# Altium PCB Board_Design.PcbDoc (part 1 of 3)
Units mil, origin at the board's own origin, x right, y up, seen from the top; angles counter-clockwise.
Board outline 5510 x 2520.05 mil, 4 copper layers (Top Layer, Power, Ground, Bottom Layer); 256 components, 212 nets, 1057 pads, 340 vias.
Unrouted connection lines stored in the file: 290.
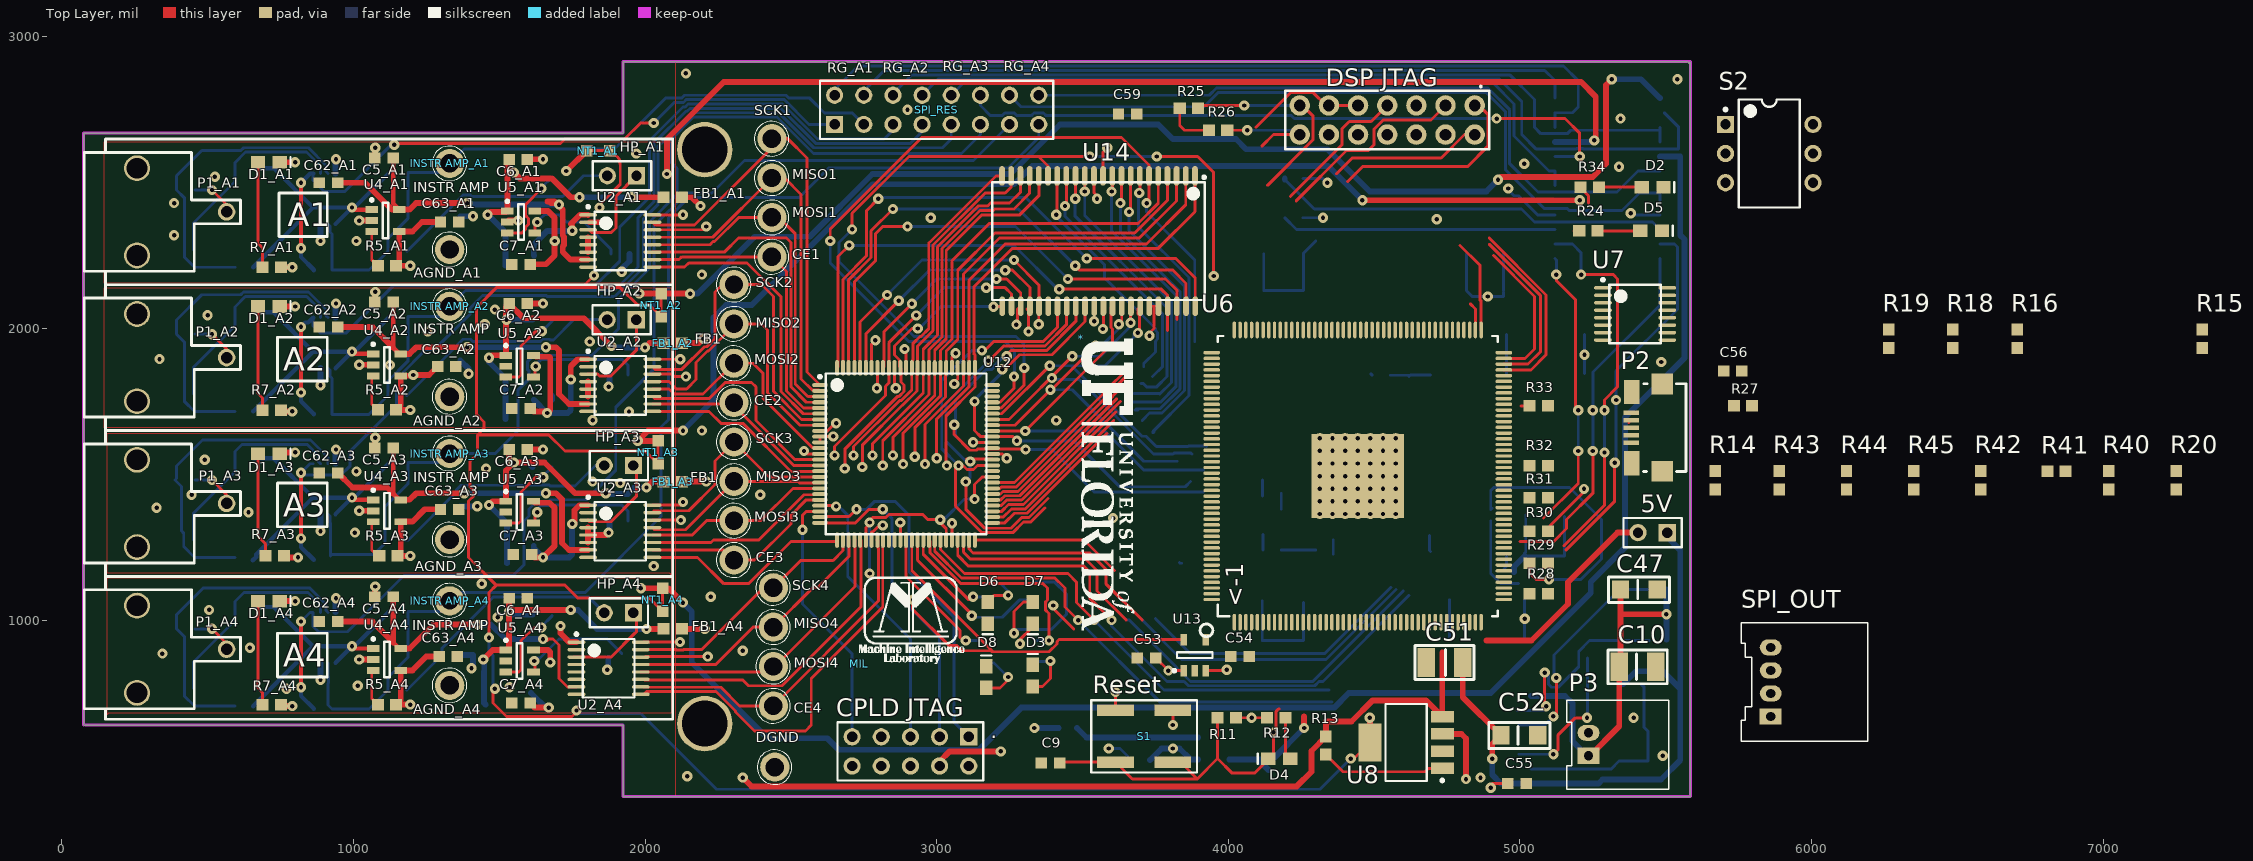
[diagram p0: Top Layer view]
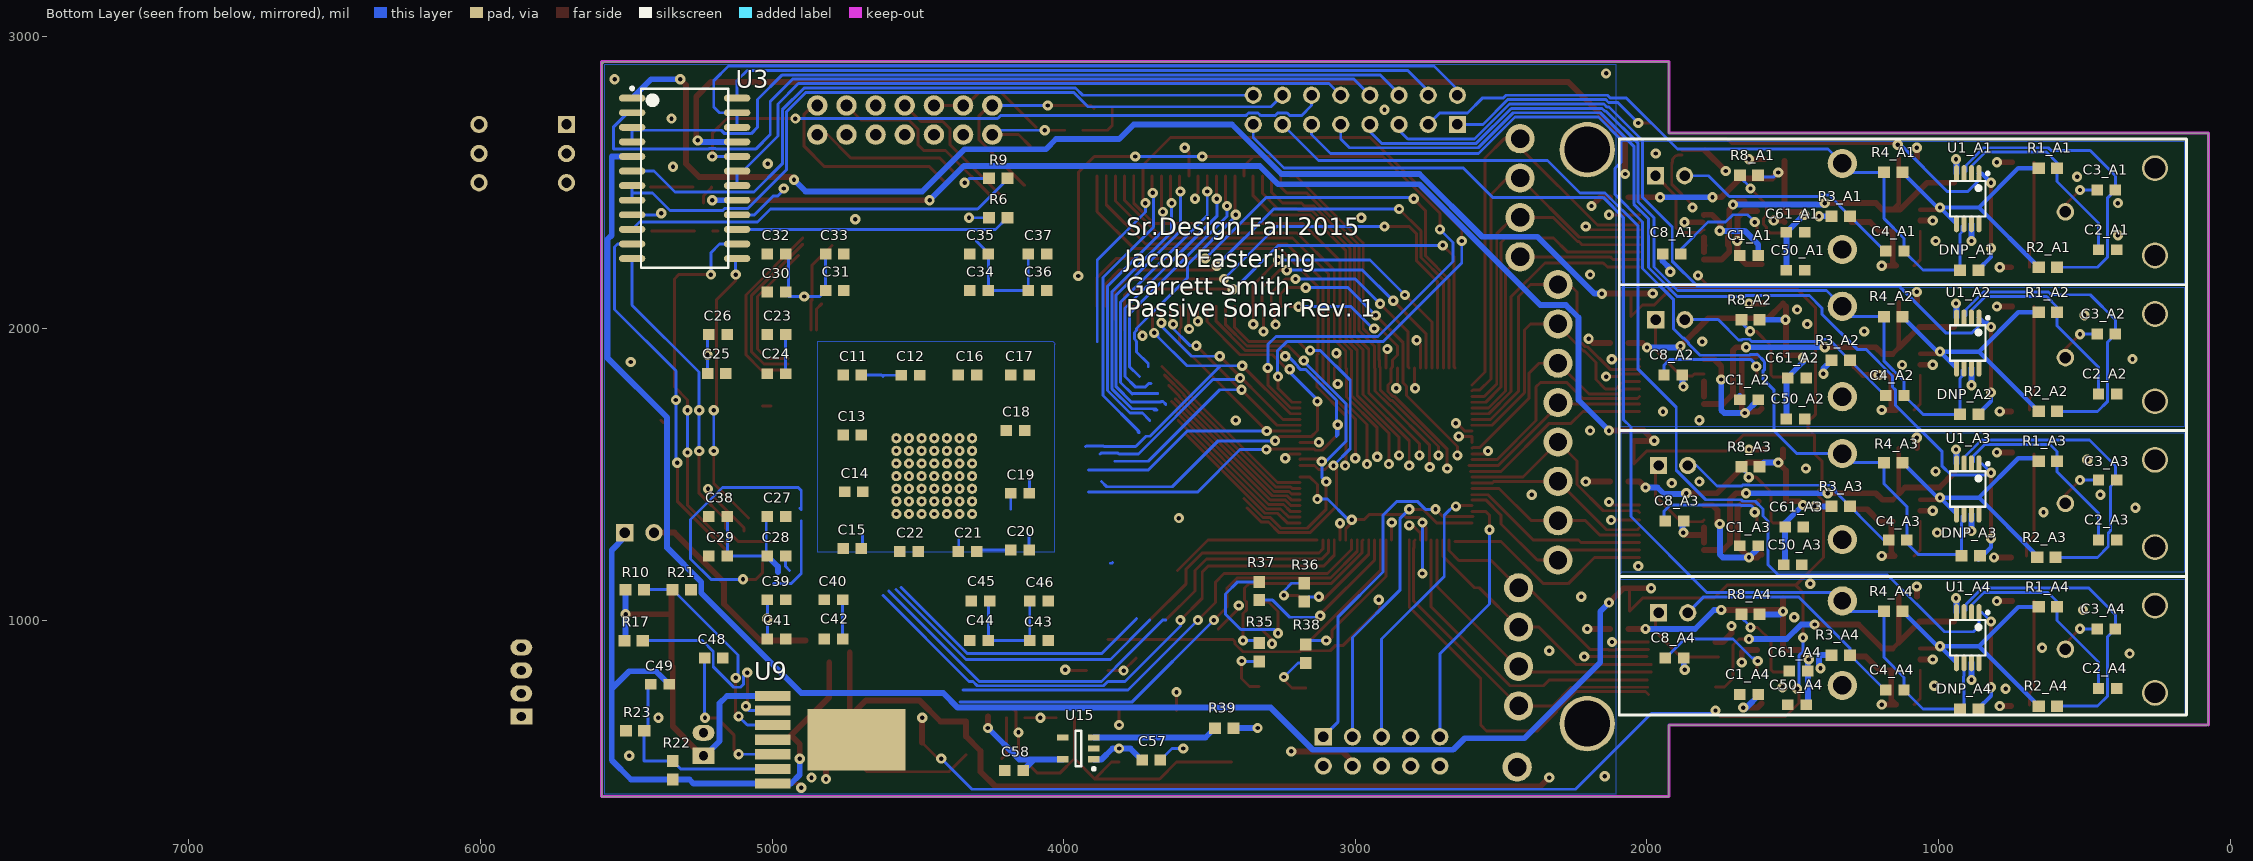
[diagram p1: Bottom Layer view, seen from below]
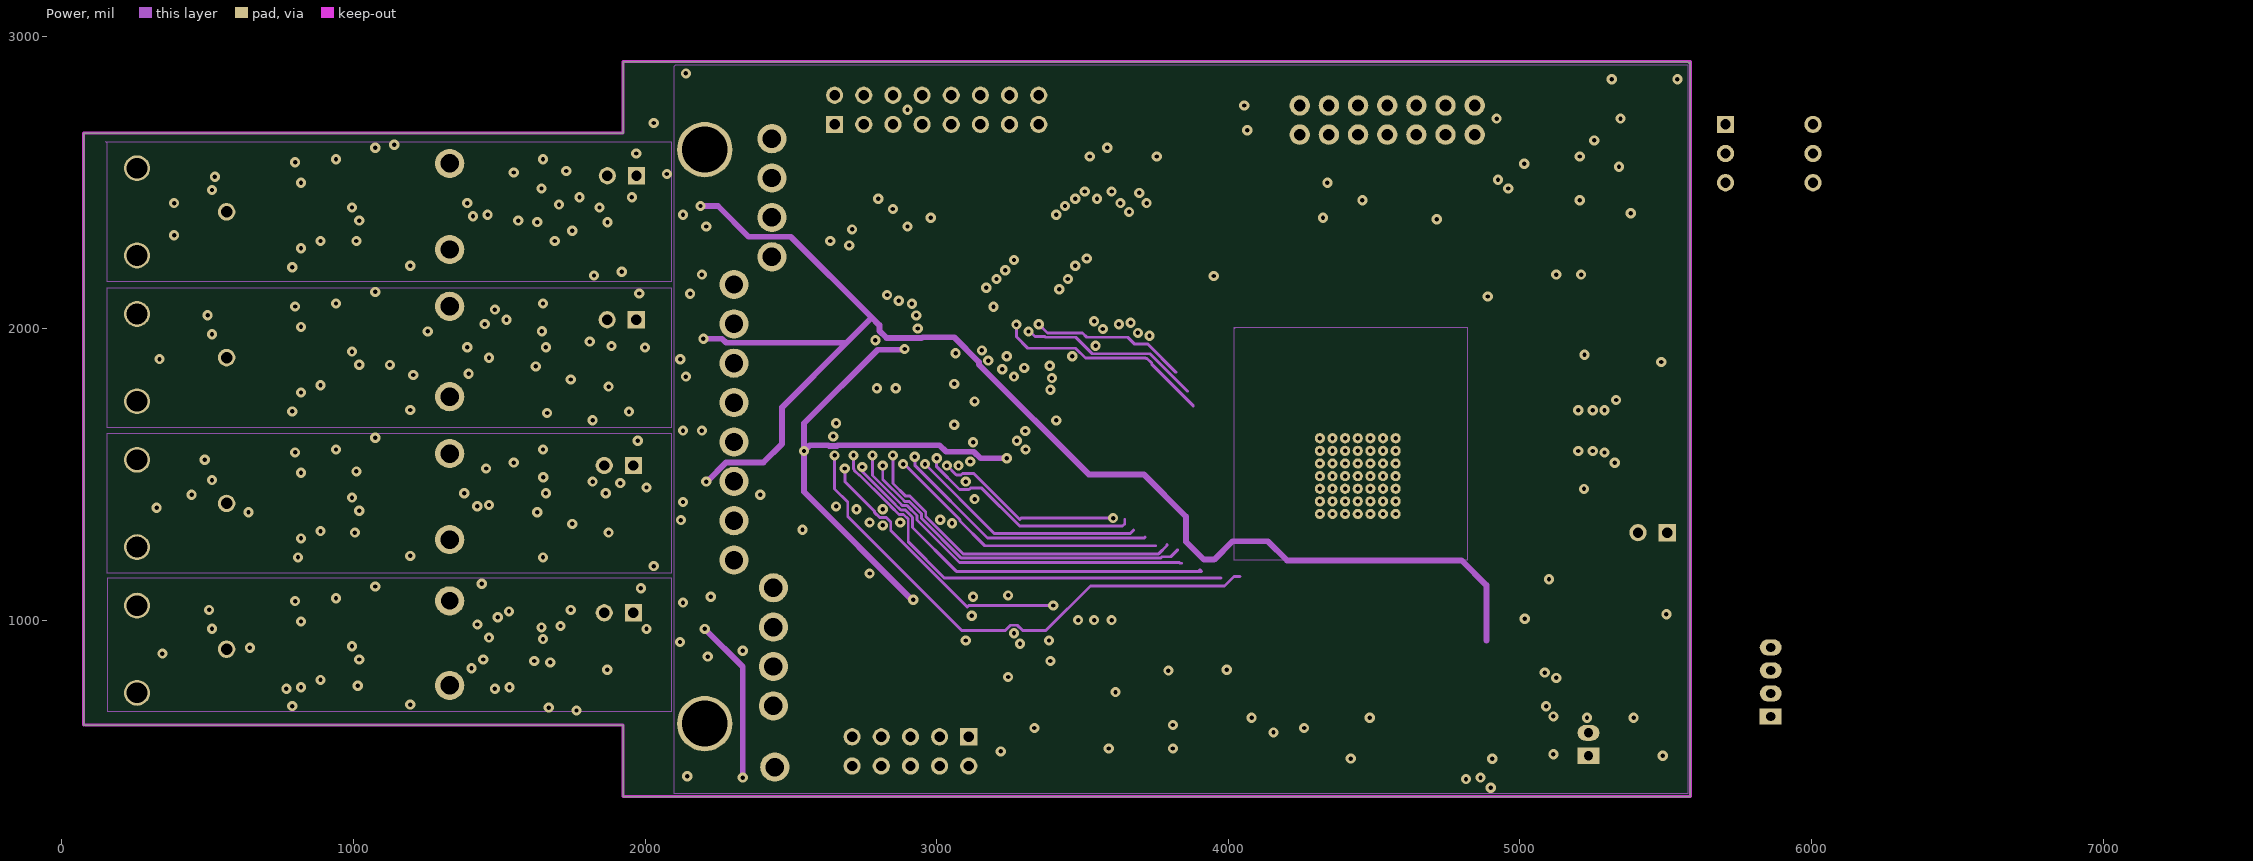
[diagram p2: Power]
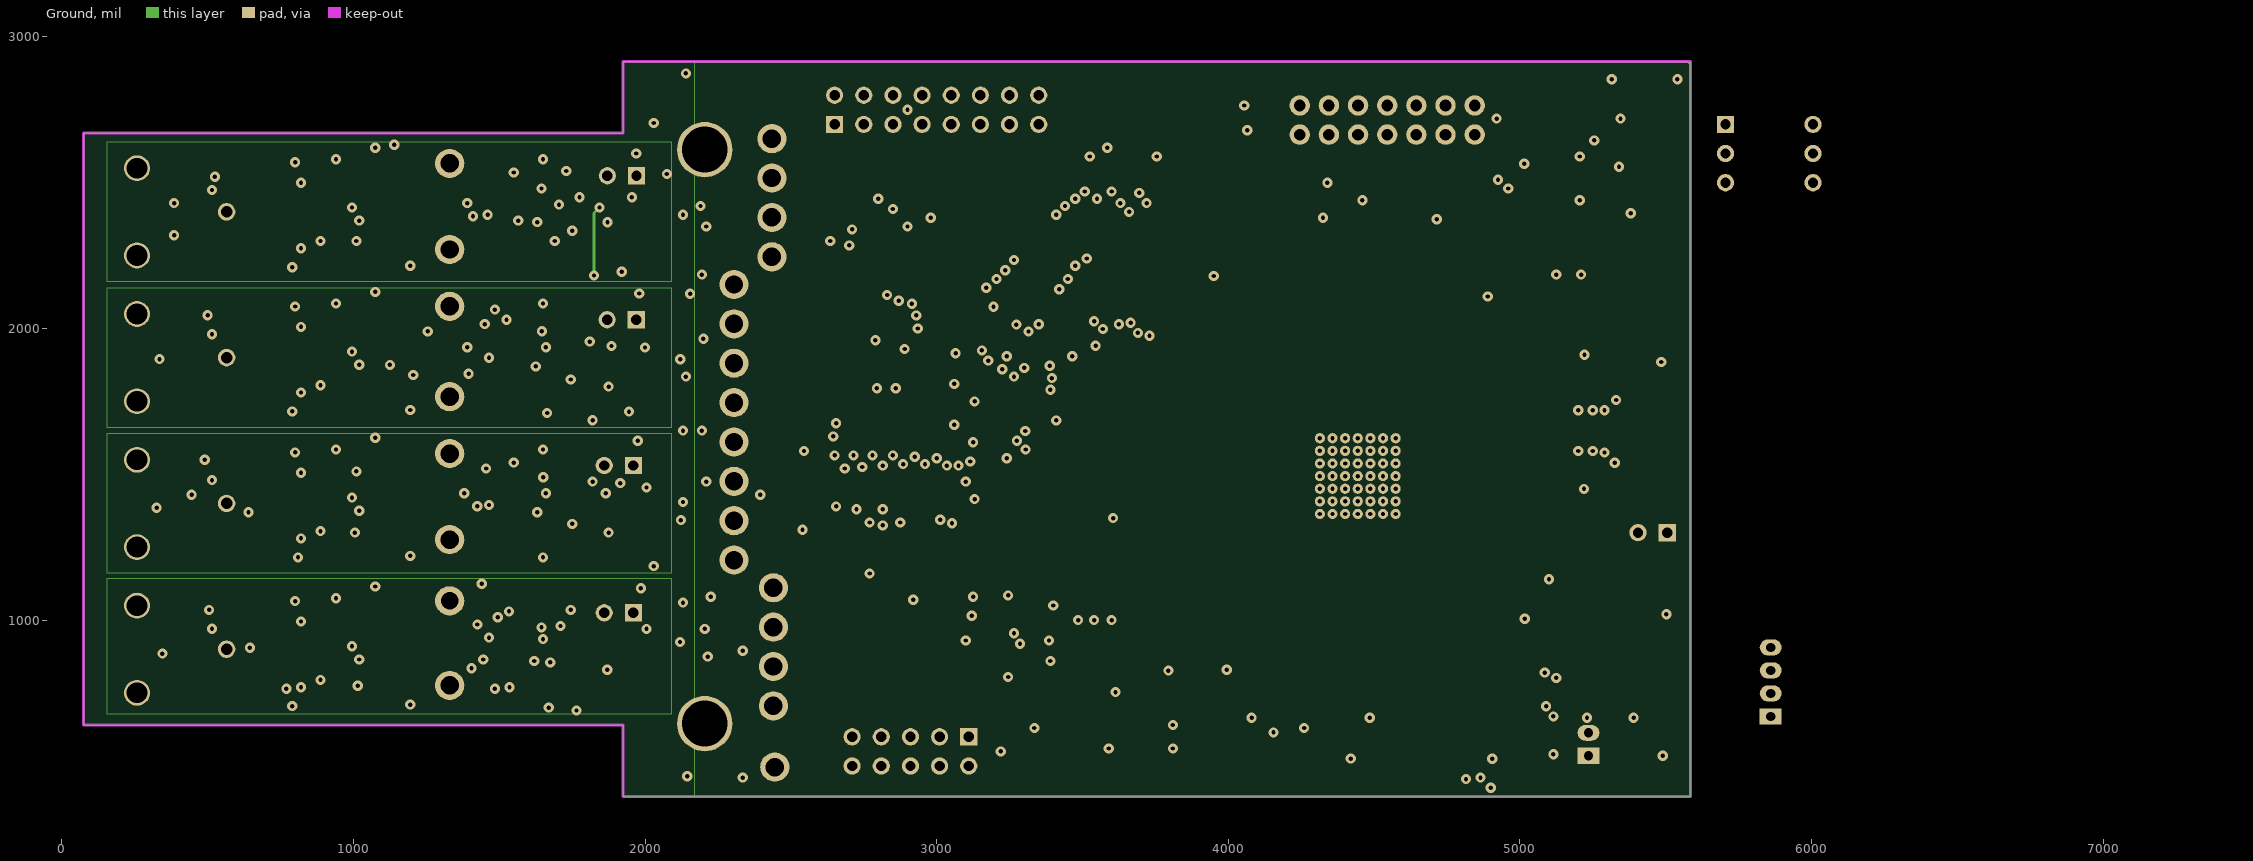
[diagram p3: Ground]

## Layer stack, top to bottom
Top Solder: solder mask 0.4, Solder Resist, Dk 3.5
Top Layer: signal copper 1.4
Dielectric1: core 12.6, FR-4, Dk 4.8
Power: signal copper 1.4
Dielectric2: prepreg 12.6, FR-4, Dk 4.8
Ground: signal copper 1.4
Dielectric3: core 12.6, FR-4, Dk 4.8
Bottom Layer: signal copper 1.4
Bottom Solder: solder mask 0.4, Solder Resist, Dk 3.5

## Board outline
5585,394.95 1925,394.95 1925,640.05 75,640.05 75,2670 1925,2670 1925,2915 5575,2915 5580,2910 5585,2915 5585,394.95

## Design rules (kind name [scope] priority, off if disabled: settings)
Clearance [All] p1: gap=5
HoleSize [All] p1: absolutevalues=TRUE maxlimit=160 minlimit=1 maxpercent=80.000 minpercent=20.000
PolygonConnect [All] p1: connectstyle=Relief reliefconductorwidth=10 reliefentries=4 polygonreliefangle="90 Angle" airgapwidth=10
RoomDefinition A1 [InComponentClass('A1')] p1: confinementstyle=ConfineIn formatcopy=TRUE lockcomponents=FALSE outline 50,2150.21 2160,2150.21 2160,2650.21 50,2650.21
RoomDefinition A2 [InComponentClass('A2')] p2: confinementstyle=ConfineIn formatcopy=TRUE lockcomponents=FALSE outline 50,1655.73 2160,1655.73 2160,2155.73 50,2155.73
RoomDefinition A4 [InComponentClass('A4')] p3: confinementstyle=ConfineIn formatcopy=TRUE lockcomponents=FALSE outline 50,645.21 2160,645.21 2160,1145.21 50,1145.21
RoomDefinition A3 [InComponentClass('A3')] p4: confinementstyle=ConfineIn formatcopy=TRUE lockcomponents=FALSE outline 50,1155.21 2160,1155.21 2160,1655.21 50,1655.21
RoutingCorners [All] p1: cornerstyle=Round minsetback=100 maxsetback=100
RoutingVias [All] p1: holewidth=15 width=25 viastyle="Through Hole" minholewidth=15 minwidth=25 maxholewidth=28 maxwidth=50
SilkToSolderMaskClearance [IsPad] p1: minsilkscreentomaskgap=4.92 clearancetoexposedcopper=TRUE
SolderMaskExpansion [All] p1: expansion=4
Width [All] p1: maxlimit=20 minlimit=10 preferedwidth=10
Width APWR [InNetClass('APower')] p2: maxlimit=20 minlimit=20 preferedwidth=20
Width AGND [InNetClass('AGround')] p3: maxlimit=20 minlimit=10 preferedwidth=20
27 further rules are at their usual default settings.

## Classes and differential pairs
net class RGB_[1..4]: RGB_1 RGB_2 RGB_3 RGB_4
net class RGA_[1..4]: RGA_1 RGA_2 RGA_3 RGA_4
net class SPI_SCK[1..4]: SPI_SCK1 SPI_SCK2 SPI_SCK3 SPI_SCK4
net class SPI_MISO[1..4]: SPI_MISO1 SPI_MISO2 SPI_MISO3 SPI_MISO4
net class SPI_CE[1..4]: SPI_CE1 SPI_CE2 SPI_CE3 SPI_CE4
net class EOC_[1..4]: EOC_1 EOC_2 EOC_3 EOC_4
net class C\O\N\V\S\T\_[1..4]: C\O\N\V\S\T\_1 C\O\N\V\S\T\_2 C\O\N\V\S\T\_3 C\O\N\V\S\T\_4
component class U_Power_Supply: 5V C10 C47 C48 C49 C51 C52 P3 R10 R17 R21 R22 R23 U9
component class U_Digital_SRAM: U14
component class U_Digital_CPLD: C53 C54 CE1 CE2 CE3 CE4 "CPLD JTAG" D3 D6 D7 D8 MISO1 MISO2 MISO3 MISO4 MOSI1 MOSI2 MOSI3 MOSI4 R35 R36 R37 R38 SCK1 SCK2 SCK3 SCK4 U12 U13
component class A1: AGND AGND_A1 C1_A1 C1_U_Analog4 C2_A1 C2_U_Analog4 C3_A1 C3_U_Analog4 C4_A1 C4_U_Analog4 C5_A1 C5_U_Analog4 C6_A1 C6_U_Analog4 C7_A1 C7_U_Analog4 C8_A1 C8_U_Analog4 C50_A1 C61_A1 C62_A1 C63_A1 D1 D1_A1 DNP DNP_A1 FB1_A1 HP HP_A1 "INSTR AMP_A1" NT1_A1 P1_A1 R1_A1 R1_U_Analog4 R2_A1 R2_U_Analog4 R3_A1 R3_U_Analog4 R4_A1 R4_U_Analog4 R5_A1 R5_U_Analog4 R6_U_Analog4 R7_A1 R8_A1 T1_U_Analog4 U1_A1 U2 U2_A1 U4_A1 U5_A1
component class A2: AGND AGND_A2 C1_A2 C1_U_Analog3 C2_A2 C2_U_Analog3 C3_A2 C3_U_Analog3 C4_A2 C4_U_Analog3 C5_A2 C5_U_Analog3 C6_A2 C6_U_Analog3 C7_A2 C7_U_Analog3 C8_A2 C8_U_Analog3 C50_A2 C61_A2 C62_A2 C63_A2 D1 D1_A2 DNP DNP_A2 FB1_A2 HP HP_A2 "INSTR AMP_A2" NT1_A2 P1_A2 R1_A2 R1_U_Analog3 R2_A2 R2_U_Analog3 R3_A2 R3_U_Analog3 R4_A2 R4_U_Analog3 R5_A2 R5_U_Analog3 R6_U_Analog3 R7_A2 R8_A2 T1_U_Analog3 U1_A2 U2 U2_A2 U4_A2 U5_A2
component class A3: AGND AGND_A3 C1_A3 C1_U_Analog2 C2_A3 C2_U_Analog2 C3_A3 C3_U_Analog2 C4_A3 C4_U_Analog2 C5_A3 C5_U_Analog2 C6_A3 C6_U_Analog2 C7_A3 C7_U_Analog2 C8_A3 C8_U_Analog2 C50_A3 C61_A3 C62_A3 C63_A3 D1 D1_A3 DNP DNP_A3 FB1_A3 HP HP_A3 "INSTR AMP_A3" NT1_A3 P1_A3 R1_A3 R1_U_Analog2 R2_A3 R2_U_Analog2 R3_A3 R3_U_Analog2 R4_A3 R4_U_Analog2 R5_A3 R5_U_Analog2 R6_U_Analog2 R7_A3 R8_A3 T1_U_Analog2 U1_A3 U2 U2_A3 U4_A3 U5_A3
component class A4: AGND AGND_A4 C1_A4 C1_U_Analog1 C2_A4 C2_U_Analog1 C3_A4 C3_U_Analog1 C4_A4 C4_U_Analog1 C5_A4 C5_U_Analog1 C6_A4 C6_U_Analog1 C7_A4 C7_U_Analog1 C8_A4 C8_U_Analog1 C50_A4 C61_A4 C62_A4 C63_A4 D1 D1_A4 DNP DNP_A4 FB1_A4 HP HP_A4 "INSTR AMP_A4" NT1_A4 P1_A4 R1_A4 R1_U_Analog1 R2_A4 R2_U_Analog1 R3_A4 R3_U_Analog1 R4_A4 R4_U_Analog1 R5_A4 R5_U_Analog1 R6_U_Analog1 R7_A4 R8_A4 T1_U_Analog1 U1_A4 U2 U2_A4 U4_A4 U5_A4
net class AGround: AGND1 AGND2 AGND3 AGND4
net class APower: 4.2V_A1 4.2V_A2 4.2V_A3 4.2V_A4
component class U_Digital_DSP: C9 C11 C12 C13 C14 C15 C16 C17 C18 C19 C20 C21 C22 C23 C24 C25 C26 C27 C28 C29 C30 C31 C32 C33 C34 C35 C36 C37 C38 C39 C40 C41 C42 C43 C44 C45 C46 C55 C56 C57 C58 C59 D2 D4 D5 DGND "DSP JTAG" P2 R6 R9 R11 R12 R13 R14 R15 R16 R18 R19 R20 R24 R25 R26 R27 R28 R29 R30 R31 R32 R33 R34 R39 R40 R41 R42 R43 R44 R45 S1 S2 SPI_OUT SPI_RES U3 U6 U7 U8 U15
channel class Analog_Test: A1 A2 A3 A4
component class Top_Level_3: * MIL

## Components (designator, comment, footprint, x,y, rotation, side; value= is the part's Value field where it differs from the comment)
5V "Header 2" HDR1X2 5505,1300 r180 top
* "UF LOGO" "UF LOGO-1000" 3495,1965 r270 top
AGND_A1 "Test_Point" TP#1 1330,2270.21 r90 top (schematic designator AGND)
AGND_A2 "Test_Point" TP#1 1330,1765.21 r90 top (schematic designator AGND)
AGND_A3 "Test_Point" TP#1 1330,1275.21 r90 top (schematic designator AGND)
AGND_A4 "Test_Point" TP#1 1330,775.21 r90 top (schematic designator AGND)
C1_A1 "Cap" CAPC0603 1650,2250.21 r180 bottom (schematic designator C1)
C1_A2 "Cap" CAPC0603 1650,1755.73 r180 bottom (schematic designator C1)
C1_A3 "Cap" CAPC0603 1650,1255.21 r180 bottom (schematic designator C1)
C1_A4 "Cap" CAPC0603 1650,745.21 r180 bottom (schematic designator C1)
C2_A1 "Cap" CAPC0603 420,2270.21 r0 bottom (schematic designator C2)
C2_A2 "Cap" CAPC0603 420,1775.73 r0 bottom (schematic designator C2)
C2_A3 "Cap" CAPC0603 420,1275.21 r0 bottom (schematic designator C2)
C2_A4 "Cap" CAPC0603 420,765.21 r0 bottom (schematic designator C2)
C3_A1 "Cap" CAPC0603 425,2475.21 r180 bottom (schematic designator C3)
C3_A2 "Cap" CAPC0603 425,1980.73 r180 bottom (schematic designator C3)
C3_A3 "Cap" CAPC0603 420,1480.21 r180 bottom (schematic designator C3)
C3_A4 "Cap" CAPC0603 425,970.21 r180 bottom (schematic designator C3)
C4_A1 "Cap" CAPC0603 1150,2265.21 r0 bottom (schematic designator C4)
C4_A2 "Cap" CAPC0603 1150,1770.73 r0 bottom (schematic designator C4)
C4_A3 "Cap" CAPC0603 1140,1275.21 r0 bottom (schematic designator C4)
C4_A4 "Cap" CAPC0603 1150,760.21 r0 bottom (schematic designator C4)
C5_A1 "Cap" CAPC0603 1105,2585.21 r0 top (schematic designator C5)
C5_A2 "Cap" CAPC0603 1105,2090.73 r0 top (schematic designator C5)
C5_A3 "Cap" CAPC0603 1105,1590.21 r0 top (schematic designator C5)
C5_A4 "Cap" CAPC0603 1105,1080.21 r0 top (schematic designator C5)
C6_A1 "Cap" CAPC0603 1565,2580.21 r180 top (schematic designator C6)
C6_A2 "Cap" CAPC0603 1565,2085.73 r180 top (schematic designator C6)
C6_A3 "Cap" CAPC0603 1565,1585.21 r180 top (schematic designator C6)
C6_A4 "Cap" CAPC0603 1565,1075.21 r180 top (schematic designator C6)
C7_A1 "Cap" CAPC0603 1575,2220.21 r0 top (schematic designator C7)
C7_A2 "Cap" CAPC0603 1575,1725.73 r0 top (schematic designator C7)
C7_A3 "Cap" CAPC0603 1580,1225.21 r0 top (schematic designator C7)
C7_A4 "Cap" CAPC0603 1575,715.21 r0 top (schematic designator C7)
C8_A1 "Cap" CAPC0603 1915,2255.21 r180 bottom (schematic designator C8)
C8_A2 "Cap" CAPC0603 1910,1840.73 r0 bottom (schematic designator C8)
C8_A3 "Cap" CAPC0603 1905,1340.21 r0 bottom (schematic designator C8)
C8_A4 "Cap" CAPC0603 1905,870.21 r0 bottom (schematic designator C8)
C9 "Cap" CAPC0603 3390,510 r180 top
C10 "CAP1210" CAP1210 5340,840 r180 top
C11 "Cap" CAPC0603 4725,1840.21 r180 bottom
C12 "Cap" CAPC0603 4525,1839.79 r0 bottom
C13 "Cap" CAPC0603 4725,1635.21 r180 bottom
C14 "Cap" CAPC0603 4720,1440.21 r180 bottom
C15 "Cap" CAPC0603 4725,1245 r180 bottom
C16 "Cap" CAPC0603 4330,1840 r180 bottom
C17 "Cap" CAPC0603 4150,1840 r0 bottom
C18 "Cap" CAPC0603 4165,1650 r0 bottom
C19 "Cap" CAPC0603 4150,1435.21 r0 bottom
C20 "Cap" CAPC0603 4150,1240.21 r0 bottom
C21 "Cap" CAPC0603 4330,1235.21 r180 bottom
C22 "Cap" CAPC0603 4530,1235.21 r0 bottom
C23 "Cap" CAPC0603 4985,1980 r0 bottom
C24 "Cap" CAPC0603 4985,1844.79 r0 bottom
C25 "Cap" CAPC0603 5190,1845.21 r180 bottom
C26 "Cap" CAPC0603 5185,1980 r180 bottom
C27 "Cap" CAPC0603 4985,1355 r180 bottom
C28 "Cap" CAPC0603 4985,1220 r180 bottom
C29 "Cap" CAPC0603 5185,1220 r0 bottom
C30 "Cap" CAPC0603 4985,2125 r0 bottom
C31 "Cap" CAPC0603 4785,2129.79 r180 bottom
C32 "Cap" CAPC0603 4985,2255 r0 bottom
C33 "Cap" CAPC0603 4785,2255 r180 bottom
C34 "Cap" CAPC0603 4290,2130.21 r0 bottom
C35 "Cap" CAPC0603 4290,2255.21 r0 bottom
C36 "Cap" CAPC0603 4090,2130 r180 bottom
C37 "Cap" CAPC0603 4090,2255 r180 bottom
C38 "Cap" CAPC0603 5185,1355 r0 bottom
C39 "Cap" CAPC0603 4985,1070 r180 bottom
C40 "Cap" CAPC0603 4790,1070 r0 bottom
C41 "Cap" CAPC0603 4985,935 r180 bottom
C42 "Cap" CAPC0603 4790,935 r0 bottom
C43 "Cap" CAPC0603 4085,930 r180 bottom
C44 "Cap" CAPC0603 4290,930 r0 bottom
C45 "Cap" CAPC0603 4285,1065 r0 bottom
C46 "Cap" CAPC0603 4085,1065 r180 bottom
C47 "Cap1206" CAP1206 5345,1105 r180 top
C48 "Cap" CAPC0603 5200,870 r0 bottom
C49 "Cap" CAPC0603 5385,780 r180 bottom
C50_A1 "Cap" CAPC0603 1490,2200 r180 bottom (schematic designator C50)
C50_A2 "Cap" CAPC0603 1490,1690 r180 bottom (schematic designator C50)
C50_A3 "Cap" CAPC0603 1500,1190 r180 bottom (schematic designator C50)
C50_A4 "Cap" CAPC0603 1485,710 r0 bottom (schematic designator C50)
C51 "CAP1210" CAP1210 4805,855 r0 top
C52 "Cap1206" CAP1206 4935,605 r180 top
C53 "Cap" CAPC0603 3720,870 r180 top
C54 "Cap" CAPC0603 4040,875 r180 top
C55 "Cap1206" CAPC0603 4990,440 r0 top (schematic designator C56)
C56 "Cap1206" CAPC0603 5730,1855 r0 top
C57 "Cap1206" CAPC0603 3700,520 r180 bottom
C58 "Cap1206" CAPC0603 4170,485 r0 bottom
C59 "Cap1206" CAPC0603 3655,2735 r0 top
C61_A1 "Cap" CAPC0603 1490,2330 r180 bottom (schematic designator C61)